# Altium PCB OpenBMS.PcbDoc (part 1 of 2) (continued)
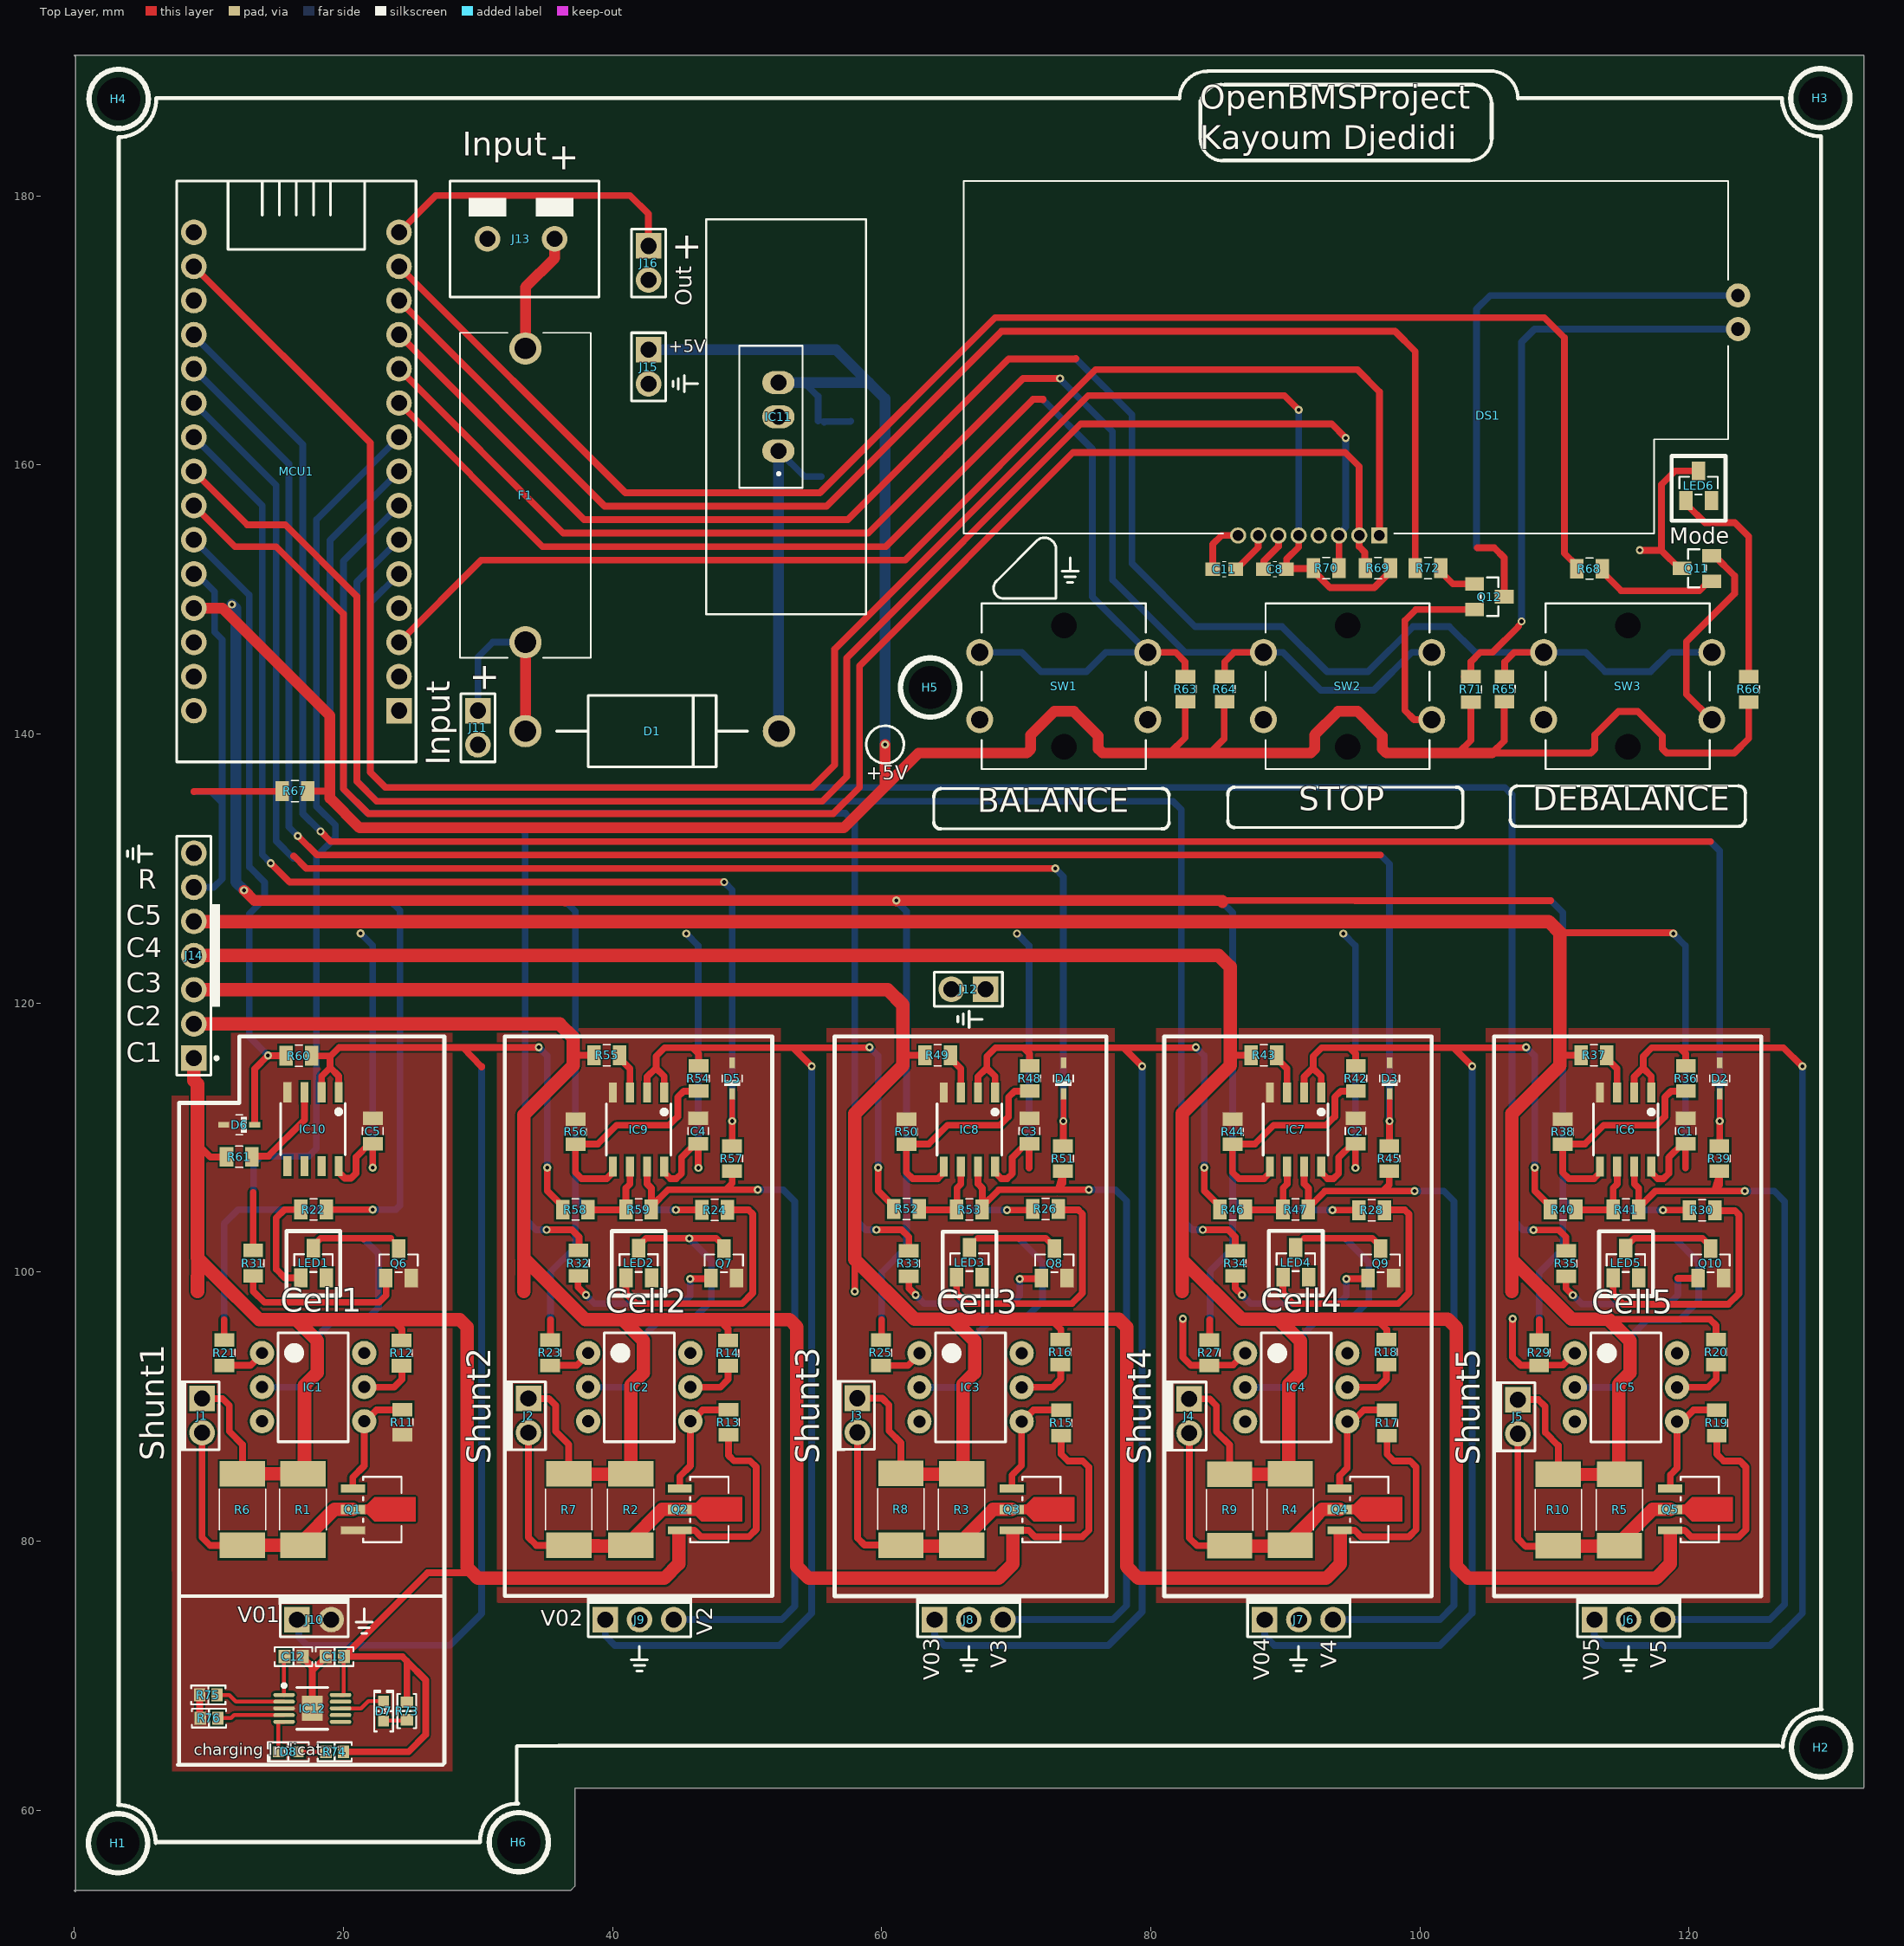
[diagram p0: Top Layer view]
## Part data (continued)
IC12: "IC BATT CHARGER LI-ION 10MSOP", Battery Pack Voltage=4.2V, Charge Current - Max=1A, Current - Charging="Constant - Programmable", Device Package="10-TFSOP, 10-MSOP (0.118\", 3.00mm Width) Exposed Pad", Manufacturer="Texas Instruments", Operating Temperature="0°C ~ 125°C (TJ)", Supplier Device Package=10-MSOP-PowerPad, Supplier Part Number 1=296-27510-2-ND, Voltage - Supply (Max)=6.45V, Battery Chemistry="Lithium Ion/Polymer", ComponentLink1Description=Datasheet, ComponentLink1URL=http://www.ti.com/general/docs/suppproductinfo.tsp?distId=10&gotoUrl=http%3A%2F%2Fwww.ti.com%2Flit%2Fgpn%2Fbq24092, ComponentLink2Description="DigiKey Link", ComponentLink2URL=//digikey.com/product-detail/en/texas-instruments/BQ24092DGQT/296-27510-2-ND/2325817, Fault Protection="Over Temperature, Over Voltage, Short Circuit", Interface=USB, LastUpdated="08/12/2019 03:15:42", Lifecycle Status=0, Minimum Order=1, Mounting Type="Surface Mount", Number Of Cells=1, Package / Case="10-TFSOP, 10-MSOP (0.118\", 3.00mm Width) Exposed Pad", Packaging=TapeAndReel, Part Number=BQ24092DGQT, Part Status=Active, PartId=25, Price=0.83, Programmable Features=Current, Series=-, Supplier 1=DigiKey
J1 J2 J3 J4 J5 J10 J11 J12 J15 J16: library part "Header 1x2", "Header, 2-Pin [TH]", Color=Black, Current Rating=4A, Flammability Rating="UL94 V-0", Manufacturer=Molex, Manufacturer Part Number=22-28-4150, Package Quantity=1, Supplier Part Number 1=538-22-28-4150, Voltage Rating=250V, ComponentLink1Description=DATASHEET, ComponentLink1URL=https://hr.mouser.com/datasheet/2/276/0022284150_PCB_HEADERS-159054.pdf, ComponentLink2Description=BUY, ComponentLink2URL=https://hr.mouser.com/ProductDetail/Molex/22-28-4150?qs=M5Ic86%252BuP8aClMFgmZrq7g%3D%3D, Connector Type="Male Pin", Contact Material=Brass, Contact Mating Length=0.24inch, Contact Plating=Tin, Contact Type="Male Pin", Gender=Male, Glow Wire Compliant=Non-compliant, Height=2.29mm, Housing Color=Black, Housing Material=Thermoplastic, LatestRevisionDate=17-Jul-2002, LatestRevisionNote="Re-released for DXP Platform.", Lead Free="Contains Lead", Length=38.1mm, Mount="Through Hole", Name=Header, Number of Circuits=15, Number of Contacts=15, Number of Positions=15, Number of Rows=1, Orientation=Vertical, Packaging=Bulk, Pitch=0.1inch, Publisher="Altium Limited", RoHS Compliant=Yes, Series="KK® 42375", Supplier 1=Mouser, Supplier Location 1=US, Supplier Packaging 1=Bulk, Supplier Unit Price 1=$0.57, Termination=Solder, Voltage Rating (DC)=250V, Width=2.49mm
J6 J7 J8 J9: library part "Header 1x3AB", "Header, 3-Pin [TH]", Color=Black, Current Rating=4A, Flammability Rating="UL94 V-0", Manufacturer=Molex, Manufacturer Part Number=22-28-4150, Package Quantity=1, Supplier Part Number 1=538-22-28-4150, Voltage Rating=250V, ComponentLink1Description=DATASHEET, ComponentLink1URL=https://hr.mouser.com/datasheet/2/276/0022284150_PCB_HEADERS-159054.pdf, ComponentLink2Description=BUY, ComponentLink2URL=https://hr.mouser.com/ProductDetail/Molex/22-28-4150?qs=M5Ic86%252BuP8aClMFgmZrq7g%3D%3D, Connector Type="Male Pin", Contact Material=Brass, Contact Mating Length=0.24inch, Contact Plating=Tin, Contact Type="Male Pin", Gender=Male, Glow Wire Compliant=Non-compliant, Height=2.29mm, Housing Color=Black, Housing Material=Thermoplastic, LatestRevisionDate=17-Jul-2002, LatestRevisionNote="Re-released for DXP Platform.", Lead Free="Contains Lead", Length=38.1mm, Mount="Through Hole", Name=Header, Number of Circuits=15, Number of Contacts=15, Number of Positions=15, Number of Rows=1, Orientation=Vertical, Packaging=Bulk, Pitch=0.1inch, Publisher="Altium Limited", RoHS Compliant=Yes, Series="KK® 42375", Supplier 1=Mouser, Supplier Location 1=US, Supplier Packaging 1=Bulk, Supplier Unit Price 1=$0.57, Termination=Solder, Voltage Rating (DC)=250V, Width=2.49mm
J13: library part "Terminal 1x2", "PCB connector, 2-Pin [TH]", Manufacturer="CUI Devices", Manufacturer Part Number=TB006-508-02BE, Supplier Part Number 1=490-TB006-508-02BE, ComponentLink1Description=DATASHEET, ComponentLink1URL=https://hr.mouser.com/datasheet/2/670/tb006_508-2306877.pdf, ComponentLink2Description=BUY, ComponentLink2URL=https://hr.mouser.com/ProductDetail/CUI-Devices/TB006-508-02BE?qs=vLWxofP3U2wEdOVV%2FaT04w%3D%3D, LatestRevisionDate=17-Jul-2002, LatestRevisionNote="Re-released for DXP Platform.", Name=Terminal, Publisher="Altium Limited", Supplier 1=Mouser, Supplier Location 1=US, Supplier Unit Price 1=$0.85
J14: "Header, 7-Pin [TH]", Color=Black, Contact Resistance=30mR, Current Rating=3A, Flammability Rating="UL94 V-0", Manufacturer=Molex, Manufacturer Part Number=70543-0006, Max Operating Temperature=105°C, Min Operating Temperature=-40°C, Package Quantity=1248, Supplier Part Number 1=538-70543-0006, Voltage Rating=250V, ComponentLink1Description=Male_DATASHEET, ComponentLink1URL=https://hr.mouser.com/datasheet/2/276/1/0705430006_PCB_HEADERS-172671.pdf, ComponentLink2Description=Male_BUY, ComponentLink2URL=https://hr.mouser.com/ProductDetail/Molex/70543-0006?qs=tYx%252BZc2nXqqLGOznLgFBUw%3D%3D, ComponentLink3Description=Female_DATASHEET, ComponentLink3URL=https://hr.mouser.com/datasheet/2/276/0014600072_RB_CBL_WR_TRP_CONN-157136.pdf, ComponentLink4Description=Female_BUY, ComponentLink4URL=https://hr.mouser.com/ProductDetail/Molex/14-60-0072?qs=NB3s7TNnM%252BbcvQdqxWlaYA%3D%3D, Contact Material="Bronze,Copper Alloy", Contact Plating=Gold, ELV=Compliant, Gender=Male, Glow Wire Compliant=Non-compliant, Housing Color=Black, Housing Material=Thermoplastic, LatestRevisionDate=17-Jul-2002, LatestRevisionNote="Re-released for DXP Platform.", Lead Free="Lead Free", Material=Brass, Mount="Through Hole", Name=Connector, Number of Circuits=7, Number of Contacts=7, Number of Positions=7, Number of Rows=1, Orientation=Vertical, Packaging=Rail/Tube, Pitch=2.54mm, Publisher="Altium Limited", Radiation Hardening=No, REACH SVHC=Unknown, RoHS Compliant=Yes, Series=70543, Supplier 1=Mouser, Supplier Location 1=US, Supplier Packaging 1=Tube, Supplier Unit Price 1=$1.68, Termination="Through Hole"
LED1 LED2 LED3 LED4 LED5 LED6: "Red LED [SMD]", Case/Package=SOT-23, Color=Red, Forward Current=20mA, Forward Voltage=2V, Manufacturer=Kingbright, Manufacturer Part Number=AM23ID-F, Max Operating Temperature=85°C, Min Operating Temperature=-40°C, Package Quantity=2000, Power Rating=75mW, Supplier Part Number 1=604-AM23ID-F, ComponentLink1Description=DATASHEET, ComponentLink1URL=https://hr.mouser.com/datasheet/2/216/AM23ID-F-33364.pdf, ComponentLink2Description=BUY, ComponentLink2URL=https://hr.mouser.com/ProductDetail/Kingbright/AM23ID-F?qs=y3UkhjaxUTbVf8YFp%2FiekA%3D%3D, Dominant Wavelength=617nm, Height=1.2mm, Illumination Color=Red, Lead Free="Lead Free", Length=3mm, Lens Color=Red, Lens Style=Diffused,Tinted, Lens Transparency=Diffused, Luminous Intensity=7mcd, Mount="Surface Mount", Name=RED, Packaging="Tape and Reel", RoHS Compliant=Yes, Series=-, Supplier 1=Mouser, Supplier Location 1=US, Supplier Packaging 1="Tape & Reel", Supplier Unit Price 1=$0.50, Test Current=20mA, Viewing Angle=140°, Wavelength=625nm, Width=1.3mm
MCU1: "Microcontroller [TH]", Manufacturer=Arduino, Manufacturer Part Number=A000005, Operating Supply Voltage=20V, Package Quantity=1, Supplier Part Number 1=782-A000005, ComponentLink1Description="OFFICIAL PAGE", ComponentLink1URL=https://store.arduino.cc/arduino-nano, ComponentLink2Description=BUY, ComponentLink2URL=https://www.mouser.com/ProductDetail/Arduino/A000005?qs=FN83AlR%252Bkj%252B2HN65G4WOuA%3D%3D, Core Architecture=AVR, Data Bus Width=8b, Evaluation Kit=Yes, Height=0.25inch, Interface=I2C,SPI,USB, Length=7inch, Name="Arduino NANO v3", Number of Bits=8, Packaging=Bulk, REACH SVHC="No SVHC", Supplier 1=Mouser, Weight=0.02lb, Width=5inch
Q1 Q2 Q3 Q4 Q5: "N Channel MOSFET [SMD]", Case/Package=SOT-89, Continuous Drain Current (ID)=2A, Drain to Source Breakdown Voltage=60V, Drain to Source Resistance=350mR, Gate to Source Voltage (Vgs)=20V, Input Capacitance=160pF, Manufacturer=Rohm, Manufacturer_Part_Number=2SK3065T100, Max Operating Temperature=150°C, Max Power Dissipation=500mW, Min Operating Temperature=-55°C, On-State Resistance=450mR, Package Quantity=1000, Power Dissipation=2W, Supplier Part Number 1=755-2SK3065T100, Threshold Voltage=800mV, Built_By=EMA_Matt, ComponentLink1Description=DATASHEET, ComponentLink1URL=https://hr.mouser.com/datasheet/2/348/rohm_semiconductor_rohms30086-1-1742632.pdf, ComponentLink2Description=BUY, ComponentLink2URL=https://hr.mouser.com/ProductDetail/ROHM-Semiconductor/2SK3065T100?qs=4kLU8WoGk0uDb4MT5MWZbg%3D%3D, Copyright="Copyright (C) 2018 Accelerated Designs. All rights reserved", Current Rating=2A, Drain to Source Voltage (Vdss)=60V, Element Configuration=Single, Fall Time=70ns, Lead Free="Lead Free", Manufacturer Part Number=2SK3065T100, Mount="Surface Mount", Name=2SK3065, Nominal Vgs=800mV, Number of Pins=3, Packaging="Tape and Reel", Radiation Hardening=No, Rds On Max=320mR, REACH SVHC="No SVHC", RefDes=RefDes, Rise Time=50ns, RoHS Compliant=Yes, SourceLibrary=Rohm_2019-09-23, Supplier 1=Mouser, Supplier Location 1=US, Supplier Packaging 1="Tape & Reel", Supplier Unit Price 1=$0.68, Turn-Off Delay Time=120ns, Turn-On Delay Time=20ns, Type=DEV, Vendor="ROHM Semiconductor", Voltage Rating (DC)=60V
Q6 Q7 Q8 Q9 Q10 Q11 Q12: "NPN transistor [SMD]", Case/Package=SOT-23, Collector-emitter Voltage-Max=600mV, Collector Base Voltage (VCBO)=80V, Collector Emitter Breakdown Voltage=65V, Current Rating=100mA, Emitter Base Voltage (VEBO)=6V, Frequency=100MHz, Manufacturer="ON Semiconductor", Manufacturer Part Number=BC846ALT1G, Max Operating Temperature=150°C, Max Power Dissipation=300mW, Min Operating Temperature=-55°C, Package Quantity=1, Supplier Part Number 1=863-BC846ALT1G, Collector Emitter Saturation Voltage=600mV, Collector Emitter Voltage (VCEO)=65V, ComponentLink1Description=DATASHEET, ComponentLink1URL=https://hr.mouser.com/datasheet/2/308/1/BC846ALT1_D-2310268.pdf, ComponentLink2Description=BUY, ComponentLink2URL=https://hr.mouser.com/ProductDetail/onsemi/BC846ALT1G?qs=vNc2DXHODiKaYXYnVvJi5w%3D%3D, Contact Plating=Tin,Matte, Element Configuration=Single, Gain Bandwidth Product=100MHz, Halogen Free="Halogen Free", Height=0.94mm, hFE Min=110, Lead Free="Lead Free", Length=2.9mm, Max Breakdown Voltage=65V, Max Collector Current=100mA, Max Frequency=100MHz, Name=BC846B, Number of Elements=1, Number of Pins=3, Packaging="Tape and Reel", Polarity=NPN, Power Dissipation=300mW, Radiation Hardening=No, REACH SVHC="No SVHC", RoHS Compliant=Yes, Series=BC846AL, Supplier 1=Mouser, Transition Frequency=100MHz, Voltage Rating (DC)=65V, Width=1.3mm
R1 R2 R3 R4 R5 R6 R7 R8 R9 R10: library part R_39R_2512, "Resistor [SMD]", Case/Package=2512, Manufacturer="TE Connectivity", Manufacturer Part Number=CRGP2512F39R, Max Operating Temperature=155°C, Max Power Dissipation=2W, Min Operating Temperature=-55°C, Resistance=39R, Resistor Type="Thick Film", Supplier Part Number 1=279-CRGP2512F39R, Temperature Coefficient=200ppm/°C, Tolerance=1%, ComponentLink1Description=DATASHEET, ComponentLink1URL=https://hr.mouser.com/datasheet/2/418/8/ENG_DS_9_1773463_9_B-1358566.pdf, ComponentLink2Description=BUY, ComponentLink2URL=https://hr.mouser.com/ProductDetail/TE-Connectivity-Holsworthy/CRGP2512F39R?qs=sGAEpiMZZMtlubZbdhIBIOInyB5Ysv8sHnBniE7kULc%3D, Name=39R, Number of Terminations=2, Packaging="Cut Tape", RoHS Compliant=Yes, Supplier 1=Mouser, Supplier Location 1=US, Supplier Unit Price 1=$0.57
R11 R13 R15 R17 R19 R36 R38 R39 R40 R41 R42 R44 R45 R46 R47 R48 R50 R51 R52 R53 R54 R56 R57 R58 R59 R60 R63 R64 R65 R67 R68 R69 R70 R72: library part R_10k_0805, "Resistor [SMD]", Case/Package=0805, Manufacturer=Vishay, Manufacturer Part Number=CRCW080510K0FKEAC, Power Rating=125mW, Resistance=10000R, Supplier Part Number 1=71-CRCW080510K0FKEAC, Tolerance=1%, ComponentLink1Description=DATASHEET, ComponentLink1URL=https://hr.mouser.com/datasheet/2/427/crcwce3-1762584.pdf, ComponentLink2Description=BUY, ComponentLink2URL=https://hr.mouser.com/ProductDetail/Vishay-Dale/CRCW080510K0FKEAC?qs=E3Y5ESvWgWORadmUijPtxQ%3D%3D, Lead Free="Lead Free", Name=10k, RoHS Compliant=Yes, Supplier 1=Mouser, Supplier Location 1=US, Supplier Packaging 1="Tape & Reel", Supplier Unit Price 1=$0.10
R12 R14 R16 R18 R20 R37 R43 R49 R55 R61: library part R_1k_0805, "Resistor [SMD]", Case/Package=0805, Case Code (Metric)=2012, Manufacturer=Vishay, Manufacturer Part Number=CRCW08051K00FKEAC, Max Operating Temperature=155°C, Max Power Dissipation=125mW, Min Operating Temperature=-55°C, Package Quantity=5000, Resistance=1kR, Resistor Type="Thick Film", Supplier Part Number 1=71-CRCW08051K00FKEAC, Temperature Coefficient=100ppm/°C, Tolerance=1%, Voltage Rating=150V, Case Code (Imperial)=0805, ComponentLink1Description=DATASHEET, ComponentLink1URL=https://www.mouser.com/datasheet/2/427/crcwce3-1762584.pdf, ComponentLink2Description=BUY, ComponentLink2URL=https://www.mouser.com/ProductDetail/Vishay-Dale/CRCW08051K00FKEAC?qs=CZ6xfwOSLTXmQIgaYvN%2FBA%3D%3D, Contact Plating=Tin, Features="Automotive AEC-Q200,Anti-Sulfur", Height=0.02inch, Lead Free="Lead Free", Length=2mm, Mount="Surface Mount", Name=1k, Number of Terminations=2, Packaging="Tape and Reel", Power Rating=125mW, Radiation Hardening=No, RoHS Compliant=Yes, Series=RCA, Supplier 1=Mouser, Supplier Location 1=US, Supplier Packaging 1="Tape & Reel", Supplier Unit Price 1=$0.12, Termination=Wraparound, Width=0.049inch
R21 R23 R25 R27 R29: library part R_100R_0805, "Resistor [SMD]", Case/Package=0805, Case Code (Metric)=2012, Manufacturer="Vishay Dale", Manufacturer Part Number=CRCW0805100RFKEAHP, Max Operating Temperature=155°C, Max Power Dissipation=500mW, Min Operating Temperature=-55°C, Package Quantity=5000, Power Rating=330mW, Resistance=100R, Resistance Tolerance=1%, Resistor Type="Thick Film", Supplier Part Number 1=71-CRCW0805100RFKEAH, Temperature Coefficient=100ppm/°C, Voltage Rating=150V, Case Code (Imperial)=0805, ComponentLink1Description=DATASHEET, ComponentLink1URL=https://hr.mouser.com/datasheet/2/427/crcwhpe3-1713858.pdf, ComponentLink2Description=BUY, ComponentLink2URL=https://hr.mouser.com/ProductDetail/Vishay-Dale/CRCW0805100RFKEAHP?qs=sGAEpiMZZMtlubZbdhIBIB2QTI7Ai3WqiihO7cZ%2FwYw%3D, Construction=Rectangular, Contact Plating=Tin, Depth=1.25mm, Features="Automotive AEC-Q200", Height=0.5mm, Lead Free="Lead Free", Length=2mm, Military Standard=Not, Mount="Surface Mount", Name=100R, Number of Terminations=2, Packaging="Tape and Reel", Radiation Hardening=No, REACH SVHC=Unknown, RoHS Compliant=Yes, Series=CRCW-HP, Supplier 1=Mouser, Technology="THICK FILM", Termination=SMD/SMT, Tolerance=1%, Voltage Rating (DC)=150V, Weight=0.000194oz, Width=1.2mm
R22 R24 R26 R28 R30 R66: library part R_360R_0805, "Resistor [SMD]", Case/Package=0805, Case Code (Metric)=2012, Manufacturer=Vishay, Manufacturer Part Number=CRCW0805360RFKEA, Max Operating Temperature=155°C, Max Power Dissipation=125mW, Min Operating Temperature=-55°C, Package Quantity=5000, Resistance=360R, Resistor Type="Thick Film", Supplier Part Number 1=71-CRCW0805360RFKEA, Temperature Coefficient=100ppm/°C, Tolerance=1%, Voltage Rating=150V, Case Code (Imperial)=0805, ComponentLink1Description=DATASHEET, ComponentLink1URL=https://hr.mouser.com/datasheet/2/427/dcrcwe3-1762152.pdf, ComponentLink2Description=BUY, ComponentLink2URL=https://hr.mouser.com/ProductDetail/Vishay-Dale/CRCW0805360RFKEA?qs=ofC1ORbyWJdnf1jRDhIDIw%3D%3D, Contact Plating=Tin, Depth=1.25mm, Features="Automotive AEC-Q200", Height=0.45mm, Lead Free="Lead Free", Length=2mm, Military Standard=Not, Name=360R, Number of Pins=2, Number of Terminals/Pins=2, Number of Terminations=2, Packaging="Cut Tape", Power Rating=125mW, Radiation Hardening=No, REACH SVHC=Unknown, RoHS Compliant=Yes, Series="D/CRCW E3", Supplier 1=Mouser, Supplier Location 1=US, Supplier Packaging 1="Tape & Reel", Supplier Unit Price 1=$0.12, Technology="THICK FILM", Termination=SMD/SMT, Voltage Rating (DC)=150V, Weight=0.000194oz, Width=1.25mm
R31 R32 R33 R34 R35: library part R_4k7_0805, "Resistor [SMD]", Case/Package=0805, Manufacturer=Vishay, Manufacturer Part Number=CRCW08054K70FKEAC, Max Operating Temperature=155°C, Min Operating Temperature=-55°C, Power Rating=125mW, Resistance=4.7kR, Resistor Type="Thick Film", Supplier Part Number 1=71-CRCW08054K70FKEAC, Temperature Coefficient=100ppm/°C, Tolerance=1%, ComponentLink1Description=DATASHEET, ComponentLink1URL=https://www.mouser.com/datasheet/2/427/crcwce3-1762584.pdf, ComponentLink2Description=BUY, ComponentLink2URL=https://www.mouser.com/ProductDetail/Vishay-Dale/CRCW08054K70FKEAC?qs=E3Y5ESvWgWOQAAVugewEHA%3D%3D, Contact Plating=Tin, Lead Free="Lead Free", Length=2mm, Mount="Surface Mount", Name=4k7, RoHS Compliant=Yes, Supplier 1=Mouser, Termination=Wraparound
R62: library part R_33k_0805, "Resistor [SMD]", Case/Package=0805, Manufacturer="Vishay Dale", Manufacturer Part Number=CRCW080533K0FKEBC, Max Operating Temperature=155°C, Max Power Dissipation=125mW, Min Operating Temperature=-55°C, Resistance=33kR, Resistor Type="Thick Film", Supplier Part Number 1=71-CRCW080533K0FKEBC, Temperature Coefficient=100ppm/°C, Tolerance=1%, ComponentLink1Description=DATASHEET, ComponentLink1URL=https://hr.mouser.com/datasheet/2/427/crcwce3-1762584.pdf, ComponentLink2Description=BUY, ComponentLink2URL=https://hr.mouser.com/ProductDetail/Vishay-Dale/CRCW080533K0FKEBC?qs=wd5RIQLrsJg6GD4hLX9MMA%3D%3D, Name=33k, Number of Terminations=2, Packaging="Tape and Reel", RoHS Compliant=Yes, Supplier 1=Mouser, Supplier Location 1=US, Supplier Packaging 1="Tape & Reel", Supplier Unit Price 1=$0.16
R71: library part R_120R_0805, "Resistor [SMD]", Case/Package=0805, Manufacturer=Vishay, Manufacturer Part Number=CRCW0805120RFKEAC, Max Operating Temperature=155°C, Max Power Dissipation=125mW, Min Operating Temperature=-55°C, Resistance=120R, Resistor Type="Thick Film", Supplier Part Number 1=71-CRCW0805120RFKEAC, Temperature Coefficient=100ppm/°C, Tolerance=1%, ComponentLink1Description=DATASHEET, ComponentLink1URL=https://hr.mouser.com/datasheet/2/427/crcwce3-1762584.pdf, ComponentLink2Description=BUY, ComponentLink2URL=https://hr.mouser.com/ProductDetail/Vishay-Dale/CRCW0805120RFKEAC?qs=sGAEpiMZZMtlubZbdhIBIIZe04wfiaJWafdARitYaZA%3D, Name=120R, Number of Terminations=2, Packaging="Tape and Reel", RoHS Compliant=Yes, Supplier 1=Mouser, Supplier Location 1=US, Supplier Packaging 1="Tape & Reel", Supplier Unit Price 1=$0.12
R73 R74: library part ERJ-3EKF1501V, "RES SMD 1.5K OHM 1% 1/10W 0603", Device Package="0603 (1608 Metric)", Manufacturer="Panasonic Electronic Components", Operating Temperature="-55°C ~ 155°C", Power (Watts)="0.1W, 1/10W", Ratings=AEC-Q200, Supplier Device Package=0603, Supplier Part Number 1=P1.50KHCT-ND, Temperature Coefficient=±100ppm/°C, Tolerance=±1%, ComponentLink1Description=Datasheet, ComponentLink1URL=https://industrial.panasonic.com/cdbs/www-data/pdf/RDA0000/AOA0000C304.pdf, ComponentLink2Description="DigiKey Link", ComponentLink2URL=http://digikey.com/product-detail/en/panasonic-electronic-components/ERJ-3EKF1501V/P1.50KHCT-ND/198088, Composition="Thick Film", Features="Automotive AEC-Q200", Height - Seated (Max)="0.022\" (0.55mm)", LastUpdated="21/01/2020 00:24:38", Lifecycle Status=Active, Minimum Order=1, Number of Terminations=2, Package / Case="0603 (1608 Metric)", Packaging=TapeAndReel, Part Number=ERJ-3EKF1501V, Part Status=Active, PartId=5637, Price=0.01, Resistance="1.5 kOhms", Series=ERJ, Size / Dimension="0.063\" L x 0.031\" W (1.60mm x 0.80mm)", Supplier 1=DigiKey
R75: library part ERJ-PA3J102V, "RES SMD 1K OHM 5% 1/4W 0603", Device Package="0603 (1608 Metric)", Manufacturer="Panasonic Electronic Components", Operating Temperature="-55°C ~ 155°C", Power (Watts)="0.25W, 1/4W", Ratings=AEC-Q200, Supplier Device Package=0603, Supplier Part Number 1=P1KBZCT-ND, Temperature Coefficient=±200ppm/°C, Tolerance=±5%, ComponentLink1Description=Datasheet, ComponentLink1URL=https://industrial.panasonic.com/cdbs/www-data/pdf/RDO0000/AOA0000C331.pdf, ComponentLink2Description="DigiKey Link", ComponentLink2URL=http://digikey.com/product-detail/en/panasonic-electronic-components/ERJ-PA3J102V/P1KBZCT-ND/5036236, Composition="Thick Film", Features="Automotive AEC-Q200, Pulse Withstanding", Height - Seated (Max)="0.022\" (0.55mm)", LastUpdated="21/01/2020 00:19:49", Lifecycle Status=Active, Minimum Order=1, Number of Terminations=2, Package / Case="0603 (1608 Metric)", Packaging=TapeAndReel, Part Number=ERJ-PA3J102V, Part Status=Active, PartId=17507, Price=0.01, Resistance="1 kOhms", Series=ERJ, Size / Dimension="0.063\" L x 0.031\" W (1.60mm x 0.80mm)", Supplier 1=DigiKey
R76: library part ERJ-PA3J202V, "RES SMD 2K OHM 5% 1/4W 0603", Device Package="0603 (1608 Metric)", Manufacturer="Panasonic Electronic Components", Operating Temperature="-55°C ~ 155°C", Power (Watts)="0.25W, 1/4W", Ratings=AEC-Q200, Supplier Device Package=0603, Supplier Part Number 1=P2KBZCT-ND, Temperature Coefficient=±200ppm/°C, Tolerance=±5%, ComponentLink1Description=Datasheet, ComponentLink1URL=https://industrial.panasonic.com/cdbs/www-data/pdf/RDO0000/AOA0000C331.pdf, ComponentLink2Description="DigiKey Link", ComponentLink2URL=http://digikey.com/product-detail/en/panasonic-electronic-components/ERJ-PA3J202V/P2KBZCT-ND/5036279, Composition="Thick Film", Features="Automotive AEC-Q200, Pulse Withstanding", Height - Seated (Max)="0.022\" (0.55mm)", LastUpdated="21/01/2020 00:23:23", Lifecycle Status=Active, Minimum Order=1, Number of Terminations=2, Package / Case="0603 (1608 Metric)", Packaging=TapeAndReel, Part Number=ERJ-PA3J202V, Part Status=Active, PartId=8961, Price=0.01, Resistance="2 kOhms", Series=ERJ, Size / Dimension="0.063\" L x 0.031\" W (1.60mm x 0.80mm)", Supplier 1=DigiKey
SW1 SW2 SW3: "SPST Push button [TH]", Actuator Color=Blue, Contact Current Rating=50mA, Contact Resistance=100mR, Insulation Resistance=100MR, Manufacturer=Omron, Max Operating Temperature=70°C, Max Voltage Rating (DC)=24V, Min Operating Temperature=-25°C, Operating Force=1.27N, Package=None, Package Quantity=500, Supplier Part Number 1=653-B3F-4000, Actuator Length=0.8mm, Actuator Type=Standard, Availability=Unavailable, ComponentLink1Description=DATASHEET, ComponentLink1URL=https://hr.mouser.com/datasheet/2/307/en-b3f-13826.pdf, ComponentLink2Description=BUY, ComponentLink2URL=https://hr.mouser.com/ProductDetail/Omron-Electronics/B3F-4000?qs=sGAEpiMZZMv0NwlthflBi3MjD%252BFGR0mw, Contact Material=Gold,Silver, Contact Plating=Silver,Gold, Contact Type="1 maker", Current Rating=50mA, Depth=12mm, Electrical Life=3000000Cycles, EU_RoHS_Compliance=Compliant, Height=4.3mm, Illumination Type=Non-Illuminated,Illuminated, Lead Free="Lead Free", Length=12mm, Manufacturer Part Number=B3F-4000, Max Current Rating=50mA, Mechanical Life=3000000Cycles, MF="TE Connectivity", Mount="Through Hole,PCB", MP=3-1825910-1, Name=B3F-4000, Number of Poles=1, Orientation=Straight, Packaging=Bulk, Price=None, REACH SVHC=Unknown, RoHS Compliant=Yes, Series=B3F, SnapEDA_Link=https://www.snapeda.com/parts/3-1825910-1/TE%20Connectivity%20ALCOSWITCH%20Switches/view-part/452461/?ref=snap, Supplier 1=Mouser, Supplier Location 1=US, Supplier Packaging 1=Bulk, Supplier Unit Price 1=$0.54, Switch Function=Off-Mom, Switch Travel=0.3mm, TE_purchase_URL=https://www.te.com/usa-en/product-3-1825910-1.html?te_bu=Cor&te_type=disp&te_campaign=seda_glo_cor-seda-global-disp-prtnr-fy19-seda-model-bom-cta_sma-317_1&elqCampaignId=32493, Termination="PC Pins", Throw Configuration=SPST, Voltage Rating (DC)=24V, Weight=0.85g, Width=12mm

## Via types
v1: diameter 0.6, hole 0.3, Top Layer to Bottom Layer, 63 vias

## Nets (pads, with @x,y where several pads share a name; then routed paths per layer and width w, separated by ;. In a path a pad name is that pad's centre, name@x,y a point inside that pad or via, vN(x,y) a via of type N, cw(c..) or ccw(c..) an arc to the next point about the centre after c; other vN are vias at no path point)
+3V3: C8.2@90.068,152.25 C9.2@90.984,156.7 C10.2@90.984,158.725 DS1.5@90.984,154.75 MCU1.17@8.89,174.752 R69.1@97.823,152.331 R70.1@92.095,152.331 | length 151.5
  Top Layer w0.5: MCU1.17@8.89,174.752 22,161.642 22,137.15 23.125,136.025 54.825,136.025 56.5,137.7 56.5,146.3 75.35,165.15 89.929,165.15 v1(90.984,164.095) ; C8.2@90.068,152.25 C8.2@90.093,152.275 ; DS1.5@90.984,154.75 90.984,153.889 90.093,152.998 C8.2@90.093,152.275 ; R69.1@97.823,152.331 97.823,152.096 96.602,150.875 93.316,150.875 92.095,152.096 R70.1@92.095,152.331 92.054,152.29 90.108,152.29 C8.2@90.093,152.275
  Bottom Layer w0.5: DS1.5@90.984,154.75 C9.2@90.984,156.7 C10.2@90.984,158.725 v1(90.984,164.095)
+5: C12.2 IC12.1 | length 2.9
  Top Layer w0.3: IC12.1@15.591,68.575 15.591,71.398 C12.2@15.618,71.425
+5V: C6.2@55.275,163.264 IC11.3@52.324,166.116 J15.1@42.672,168.559 MCU1.27@8.89,149.352 R21.2@11.156,94.944 R22.1@18.725,104.65 R23.1@35.356,94.955 R24.1@46.65,104.625 R25.1@59.938,94.955 R26.1@71.231,104.7 R27.1@84.345,94.955 R28.1@95.468,104.6 R29.1@108.848,94.955 R30.1@120.015,104.6 R62.1@57.705,163.255 R63.2@82.575,142.386 R64.2@85.481,142.386 R65.2@106.275,142.386 R66.1@124.425,142.375 R67.1@17.345,135.75 R71.1@103.787,142.375 | length 638.4
  Top Layer w0.5: R21.2@11.141,95.3 11.141,96.469 ; R67.1@17.345,135.75 18.975,135.75 19,135.775 ; R22.1@18.725,104.65 18.727,104.649 v1(22.185,104.647) v1(22.185,104.647) ; R23.1@35.09,94.899 35.251,95.06 35.418,95.227 35.381,95.264 35.331,95.173 35.306,95.199 35.394,95.287 35.381,95.3 35.381,96.469 ; v1(44.704,104.624) R24.1@46.37,104.624 ; R25.1@59.988,95.29 59.988,96.459 ; v1(69.311,104.614) R26.1@70.977,104.614 ; 81.416,138.583 82.556,139.723 82.556,142.461 R63.2@82.575,142.386 ; R27.1@84.37,95.29 84.37,96.459 ; 84.385,138.583 85.45,139.648 R64.2@85.45,142.536 ; 85.318,127.617 95.17,127.612 104.301,127.612 ; v1(93.5,104.614) 95.114,104.614 R28.1@95.214,104.514 ; 102.845,138.583 103.787,139.525 R71.1@103.787,142.375 ; 104.302,127.612 109.699,127.612 ; R65.2@106.266,142.536 106.266,139.491 105.358,138.583 112.692,138.583 112.985,138.876 112.985,139.925 114.735,141.675 116.185,141.675 118.01,139.85 118.01,138.9 118.327,138.583 123.35,138.583 124.425,139.658 R66.1@124.425,142.375 ; R29.1@108.873,95.29 108.873,96.459 ; 109.7,127.612 109.713,127.625 ; v1(118.047,104.614) R30.1@119.661,104.614
  Top Layer w0.8: MCU1.27@8.89,149.352 11.002,149.352 19,141.354 19,135.775 19,135.225 21.2,133.025 57.176,133.025 62.734,138.583 70.782,138.583 71.075,138.876 71.075,139.925 72.825,141.675 74.275,141.675 76.1,139.85 76.1,138.9 76.417,138.583 81.416,138.583 84.385,138.583 91.876,138.583 92.169,138.876 92.169,139.925 93.919,141.675 95.369,141.675 97.194,139.85 97.194,138.9 97.511,138.583 102.845,138.583 105.358,138.583 ; v1(12.624,128.377) 13.376,127.625 23.438,127.625 ; 36.474,127.584 36.474,127.625 23.438,127.625 ; 60.25,136.15 v1(60.25,139.208) ; v1@61.081,127.574 v1(61.081,127.615) v1@61.081,127.624 ; 85.318,127.474 85.318,127.617 85.275,127.624 v1@61.081,127.624 ; 23.438,127.625 v1@61.081,127.624
  Bottom Layer w0.5: MCU1.27@8.89,149.11 MCU1.27@8.89,149.352 ; 11.141,96.469 11.141,103.604 12.184,104.647 v1(22.185,104.647) 23.895,104.647 24.2,104.952 24.2,126.881 23.438,127.643 23.438,127.625 ; 35.381,96.469 35.381,99.998 37.236,101.853 37.236,105.536 ; 36.474,127.584 37.236,126.822 37.236,105.536 ; v1(44.704,104.624) 38.149,104.624 37.236,105.536 ; 54.3,166.071 55.275,165.096 C6.2@55.275,163.264 ; C6.2@55.725,163.175 55.681,163.219 57.681,163.219 R62.1@57.705,163.255 ; 59.988,96.459 59.988,99.988 61.843,101.843 61.843,126.812 ; v1@61.081,127.574 61.843,126.812 ; v1(69.311,104.614) 62.755,104.614 61.843,105.526 61.843,126.812 ; 84.37,96.459 84.37,96.535 84.4,96.61 84.4,100.063 86.08,101.743 86.08,126.712 ; 85.318,127.474 86.08,126.712 ; v1(93.5,104.614) 86.892,104.614 86.08,105.426 86.08,126.712 ; 108.873,96.459 108.873,96.535 108.848,96.768 108.848,99.964 110.627,101.743 110.627,126.712 ; 109.713,127.625 110.627,126.712 ; v1(118.047,104.614) 111.439,104.614 110.627,105.426 110.627,126.712
  Bottom Layer w0.8: v1(11.725,149.625) 12,149.35 12,128.999 12.002,128.999 v1(12.624,128.377) ; J15.1@42.672,168.559 56.616,168.559 59.059,166.116 ; IC11.3@52.324,166.116 54.3,166.116 ; 54.3,166.071 54.3,166.116 ; v1(60.25,139.208) 60.25,164.925 59.059,166.116 ; 54.3,166.116 59.059,166.116
+21V: C1.2@119.741,109.536 C2.2@95.212,109.536 C3.2@70.975,109.536 C4.2@46.371,109.536 C5.2@22.185,109.536 IC6.8 IC7.8 IC8.8 IC9.8 IC10.8 J5.1@107.275,90.525 J14.5@8.89,126.064 R5.1@114.825,84.985 R10.1@110.275,84.985 R20.1@122,95 R37.2@111.983,116.125 | length 304.2
  Top Layer w0.5: IC10.8@19.65,107.425 20.1,106.975 20.56,106.975 20.935,107.35 20.935,108.546 C5.2@21.95,109.561 ; v1(22.185,107.775) C5.2@22.185,109.326 ; IC9.8@43.836,107.85 43.836,107.4 44.286,106.95 44.746,106.95 45.121,107.325 45.121,108.521 46.136,109.536 46.253,109.419 46.371,109.301 v1(46.371,107.75) ; IC8.8@68.421,107.4 68.871,106.95 69.331,106.95 69.706,107.325 69.706,108.521 C3.2@70.721,109.536 ; 70.956,107.75 C3.2@70.956,109.301 ; IC7.8@92.669,107.4 93.119,106.95 93.579,106.95 93.954,107.325 93.954,108.521 C2.2@94.969,109.536 ; v1(95.203,107.75) C2.2@95.203,109.301 ; 106.828,98.567 106.828,100.937 ; J5.1@107.275,90.525 108.789,90.525 109.297,90.017 109.297,88.09 110.275,87.112 R10.1@110.275,84.985 R10.1@110.275,84.935 ; 110.393,125.232 118.833,125.232 v1(118.833,125.159) v1@118.83,125.157 ; 110.419,116.125 R37.2@111.983,116.125 ; 114.037,96.5 121.54,96.5 122,96.04 R20.1@122,95 ; IC6.8@117.198,107.4 117.648,106.95 118.108,106.95 118.483,107.325 118.483,108.521 C1.2@119.498,109.536 ; 119.733,107.75 C1.2@119.733,109.301
  Top Layer w1: J14.5@8.89,126.064 8.911,126.06 109.565,126.06 110.393,125.232 110.393,115.35 106.824,111.782 106.824,100.941 106.828,98.567 ; 106.828,100.937 111.265,96.5 114.002,96.5 115.608,94.895 115.608,92.515 114.761,91.669 R5.1@114.761,85.098 ; R10.1@110.275,84.935 110.3,84.963 110.306,84.97 114.825,84.945 114.866,84.945 R5.1@114.825,84.985
  Bottom Layer w0.5: v1(21.286,125.185) 21.283,125.182 22.185,124.28 v1(22.185,107.775) ; v1(45.471,125.16) 45.469,125.157 46.37,124.255 v1(46.371,107.75) ; v1(70.056,125.159) 70.054,125.157 70.956,124.255 70.956,107.75 ; v1(94.304,125.16) 94.301,125.157 95.203,124.255 v1(95.203,107.75) ; v1@118.83,125.157 119.732,124.255 119.732,107.75
CHG: D7.2 IC12.8 | length 3.4
  Top Layer w0.3: IC12.8@19.791,67.575 21.315,67.575 21.865,68.125 D7.2@22.989,68.125
CHG_LED: D7.1 R73.2 | length 1.8
  Top Layer w0.3: D7.1@22.989,66.625 23.039,66.675 24.666,66.675 R73.2@24.716,66.725
GND: C1.1@119.741,111.425 C2.1@95.212,111.425 C3.1@70.975,111.425 C4.1@46.371,111.425 C5.1@22.185,111.425 C6.1@55.275,161.375 C7.2@57.439,159.15 C9.1@92.873,156.7 C10.1@92.873,158.725 C12.1 C13.1 D2.A@122.265,115.55 D3.A@97.736,115.55 D4.A@73.499,115.55 D5.A@48.895,115.55 D6.A@11.105,110.95 DS1.4@92.484,154.75 IC6.4 IC7.4 IC8.4 IC9.4 IC10.4 IC11.2@52.324,163.576 IC12.3 IC12.11 J6.2@115.5,74.175 J7.2@91,74.175 J8.2@66.477,74.175 J9.2@42,74.175 J10.2@19.099,74.175 J11.2@29.993,139.192 J12.1@67.716,121.025 J12.2@65.176,121.025 J13.2@30.7,176.8 J14.7@8.89,131.144 J15.2@42.672,166.019 J16.2@42.672,173.734 MCU1.4@24.13,149.352 MCU1.29@8.89,144.272 Q1.3@20.7,80.812 Q6.3@25.05,99.552 Q7.3@49.218,99.552 Q8.3@73.778,99.552 Q9.3@98.034,99.552 Q10.3@122.55,99.552 Q11.3@121.673,153.256 Q12.3@104.058,149.25 R11.1@24.374,87.9 R38.2@110.612,111.378 R44.2@86.083,111.378 R50.2@61.846,111.378 R56.2@37.261,111.378 R62.2@57.705,161.366 R75.1 R76.1 SW1.3@67.279,141.063 SW1.4@79.779,141.063 SW2.3@88.373,141.063 SW2.4@100.873,141.063 SW3.3@109.189,141.063 SW3.4@121.689,141.063 | length 36.9
  Top Layer w0.5: R76.1@9.312,66.735 R75.1@9.312,68.46 ; C12.1@16.968,71.425 16.968,71.375 17.691,70.653 17.691,70.39 ; IC12.11@17.691,67.575 17.691,70.39 ; C13.1@18.676,71.425 18.676,71.375 17.691,70.39 ; SW2.4@100.873,141.063 99.562,141.063 98.875,141.75 98.875,148.425 99.7,149.25 Q12.3@104.058,149.25 ; SW3.4@121.689,141.063 119.8,142.952 119.8,146.85 123.375,150.425 123.375,151.754 Q11.3@121.873,153.256
ISET: IC12.2 R75.2 | length 5.2
  Top Layer w0.3: R75.2@10.612,68.575 11.522,68.575 12.022,68.075 IC12.2@15.591,68.075
NetC7_1: C7.1@55.55,159.15 D1.2@52.368,140.208 IC11.1@52.324,161.036 | length 24.8
  Bottom Layer w0.5: IC11.1@52.324,161.036 52.349,161.036 54.26,159.125 C7.1@55.525,159.125
  Bottom Layer w0.8: IC11.1@52.346,161.014 52.346,140.208 D1.2@52.368,140.208
NetC8_1: C8.1@88.368,152.25 DS1.6@89.484,154.75 | length 3
  Top Layer w0.5: C8.1@88.368,152.25 88.4,152.282 88.4,152.85 89.484,153.934 DS1.6@89.484,154.75
NetC11_1: C11.1@84.6,152.25 DS1.8@86.484,154.75 | length 4
  Top Layer w0.5: C11.1@84.6,152.25 84.6,154.1 85.25,154.75 DS1.8@86.484,154.75
NetC11_2: C11.2@86.3,152.25 DS1.7@87.984,154.75 | length 3.2
  Top Layer w0.5: C11.2@86.3,152.25 86.35,152.25 87.984,153.884 DS1.7@87.984,154.75